# Altium PCB AI_XiaoZhi_WIFI.PcbDoc
Units mil, origin at the board's own origin, x right, y up, seen from the top; angles counter-clockwise.
Board outline 1902.33 x 1968.25 mil, 2 copper layers (Top Layer, Bottom Layer), stack 65.792 mil thick; 65 components, 42 nets, 246 pads, 70 vias.
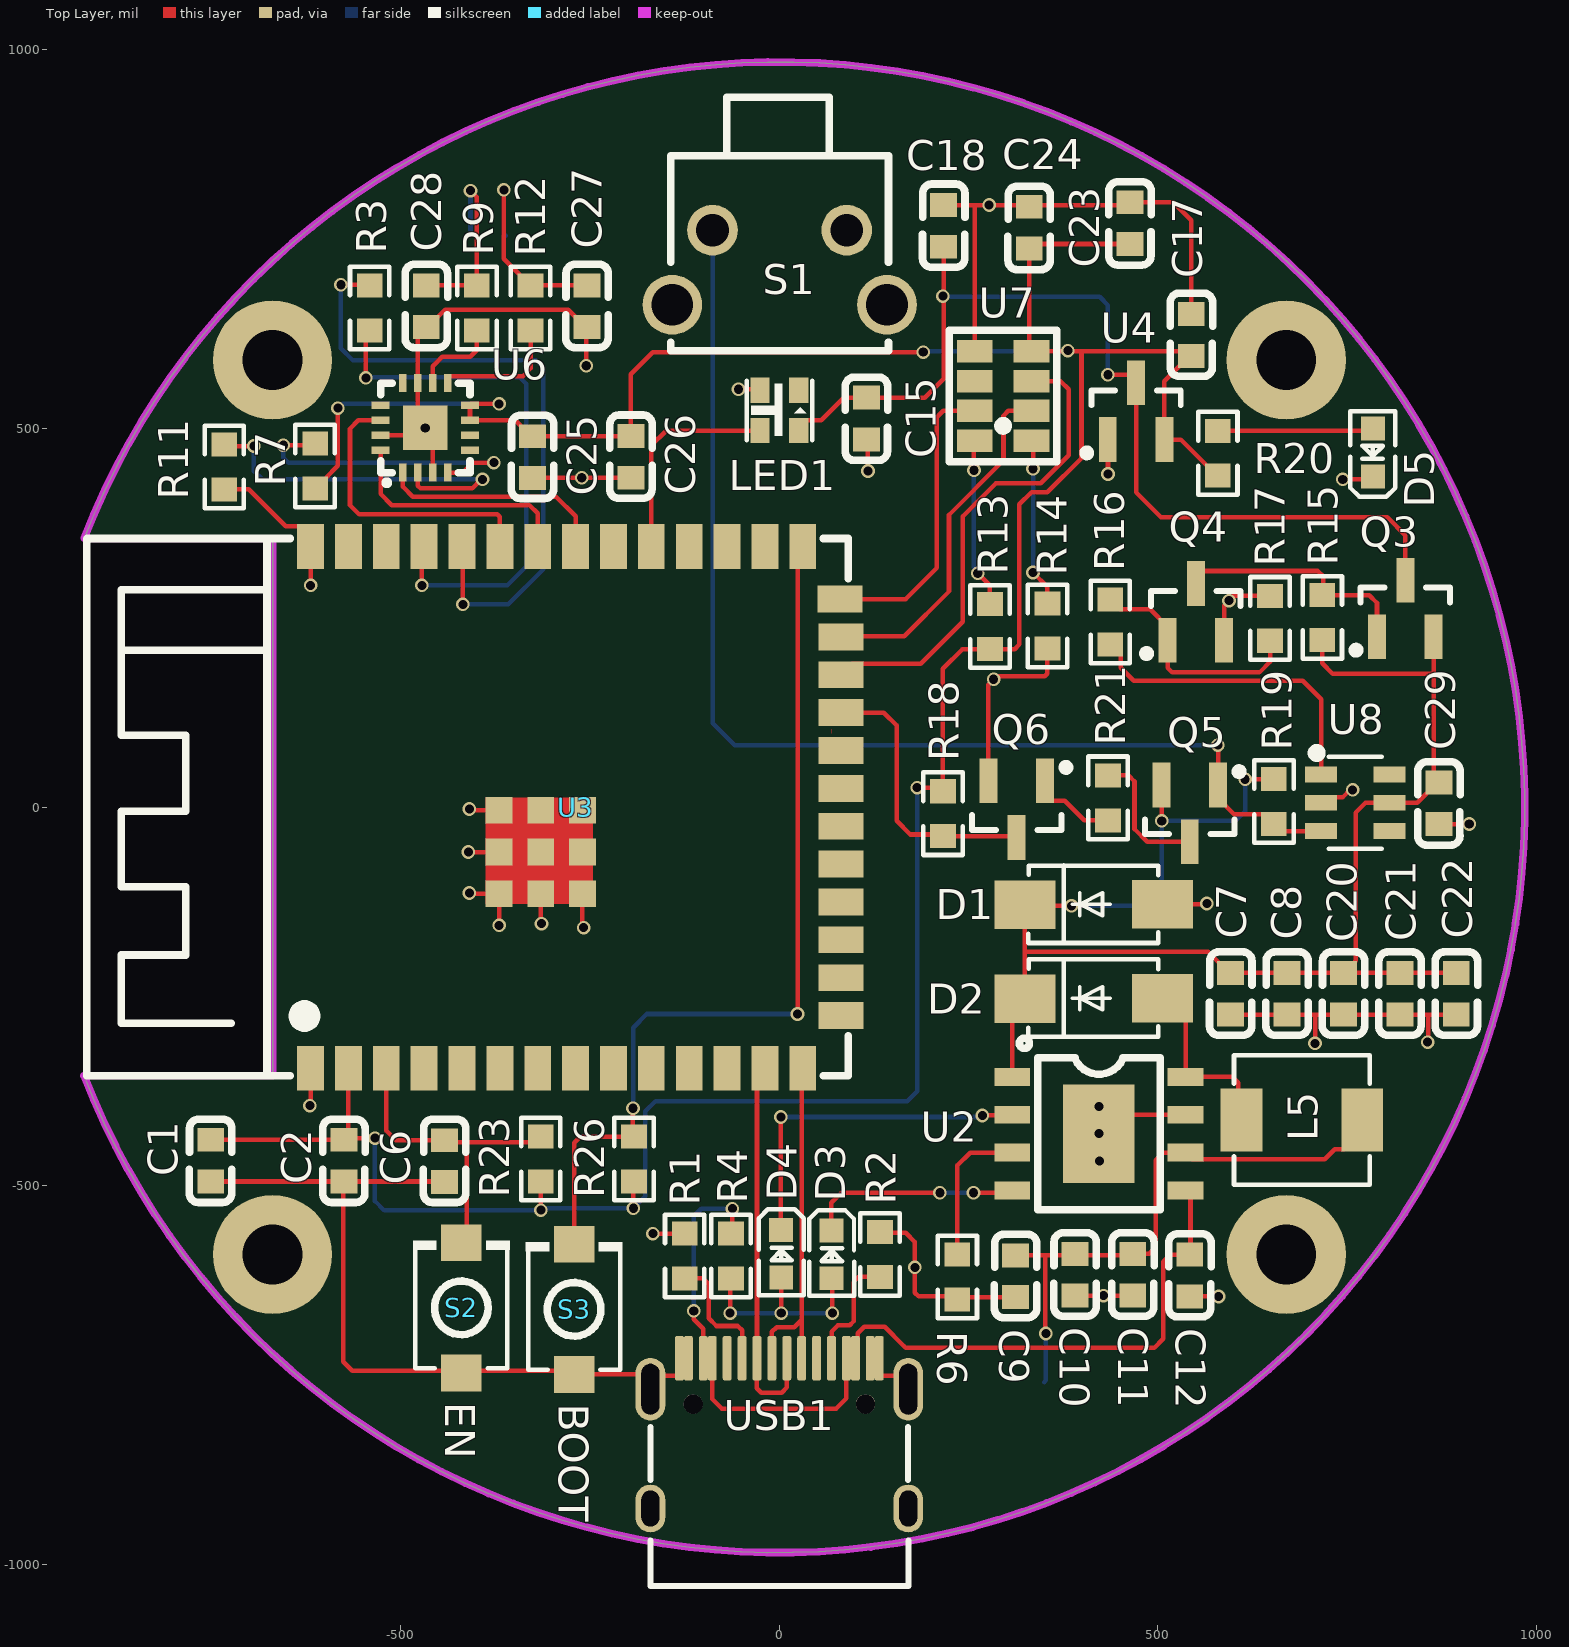
[diagram p0: Top Layer view]
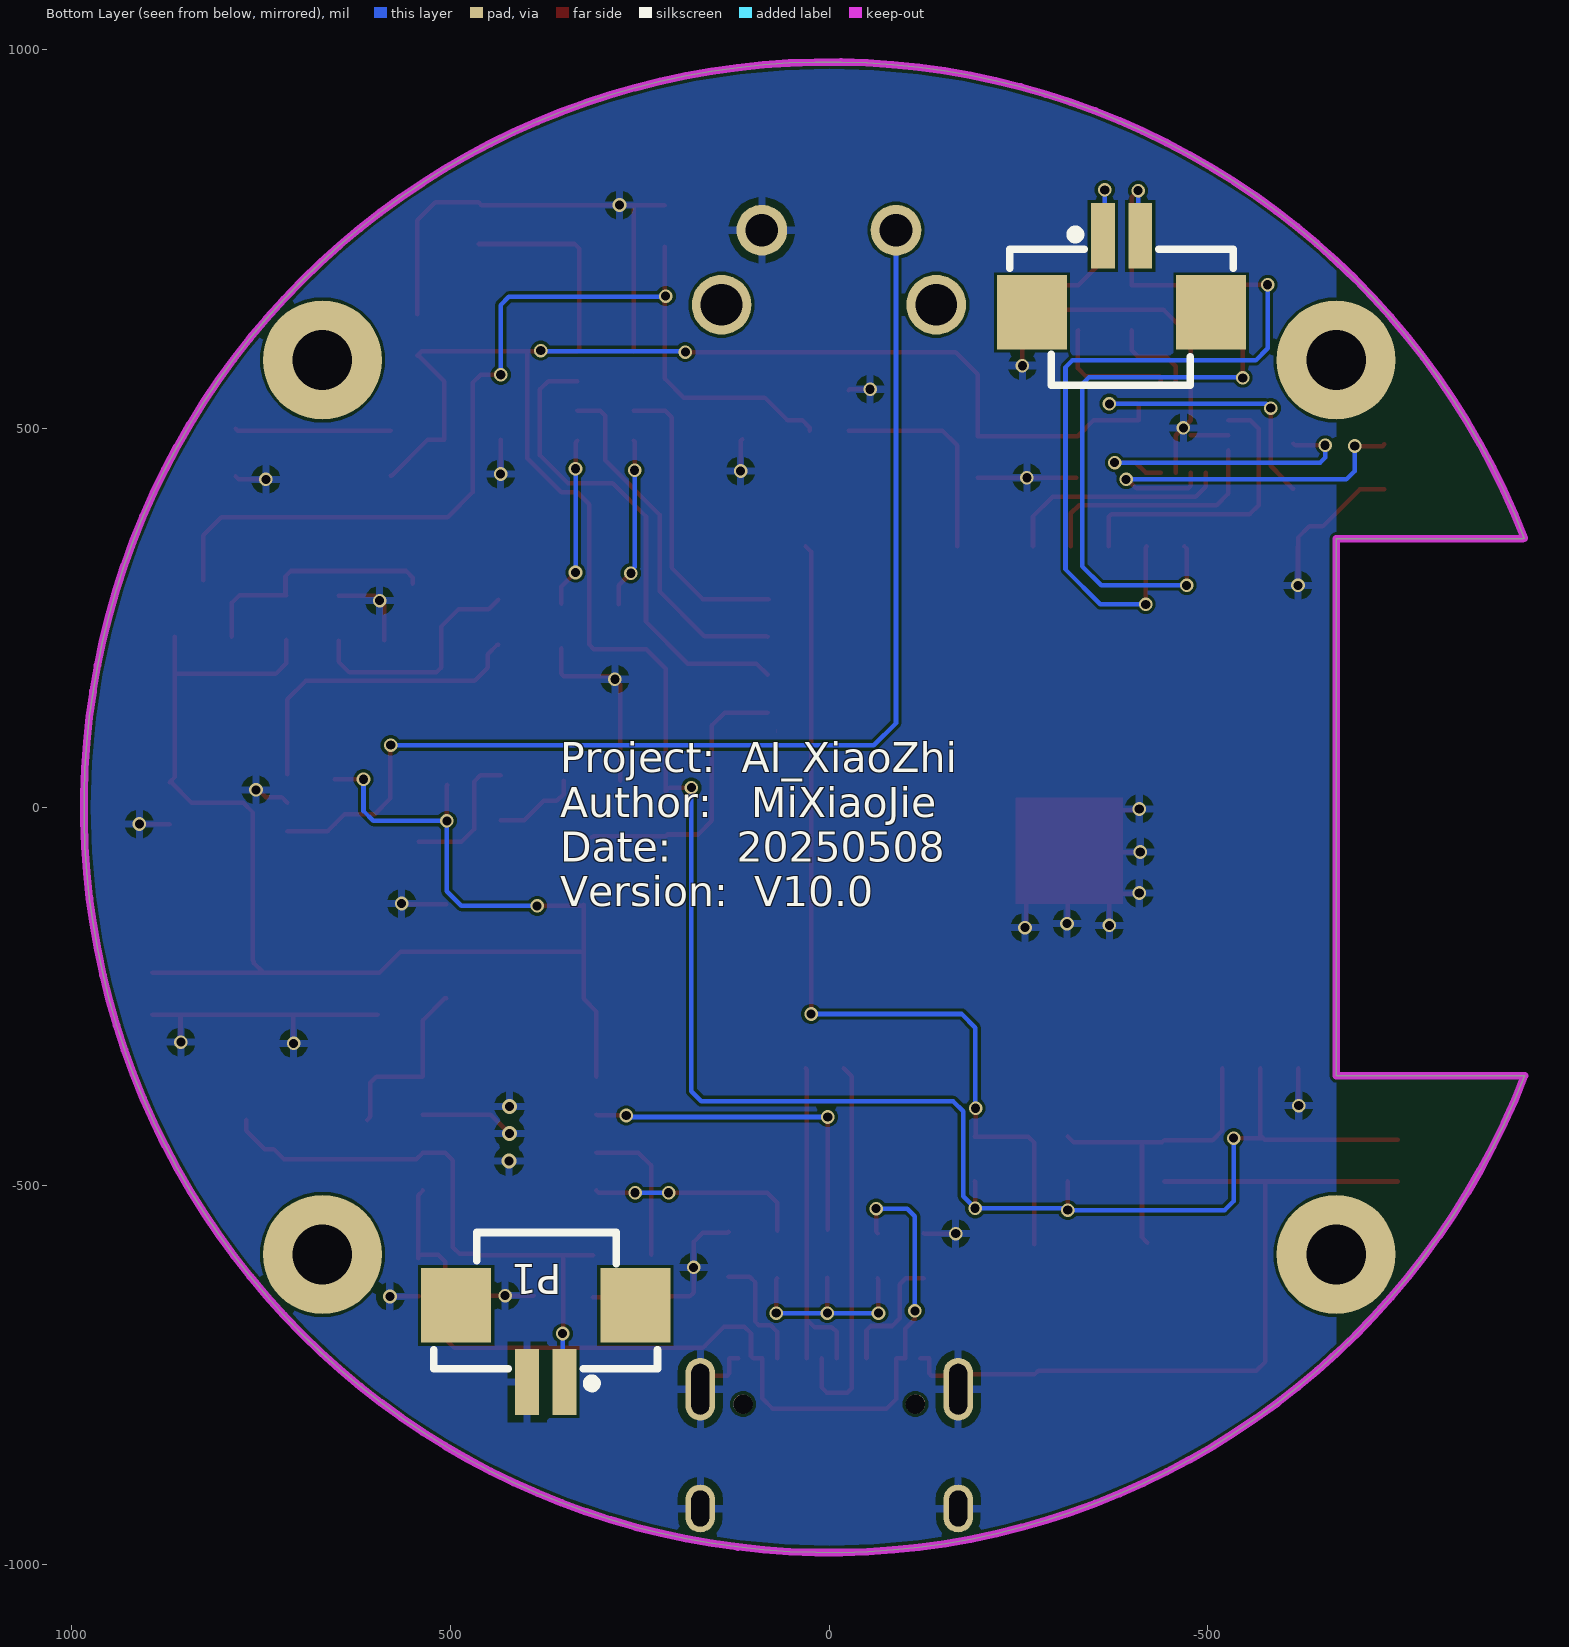
[diagram p1: Bottom Layer view, seen from below]

## Layer stack, top to bottom
Top Solder: solder mask 0.4, Solder Resist, Dk 3.5
Top Layer: signal copper 1.4
Dielectric 1: dielectric 62.9921, FR-4, Dk 4.8
Bottom Layer: signal copper 1.4
Bottom Solder: solder mask 0.4, Solder Resist, Dk 3.5

## Board outline
-918.23,-354.42 ccw(c0,0) -917.97,355.09 -916,354.33 -669.29,354.33 -669.29,-354.33

## Design rules (kind name [scope] priority, off if disabled: settings)
Clearance [All] p1: gap=4 ignorepadtopadclearanceinfootprint=FALSE
DiffPairsRouting [InDifferentialPairClass('All Differential Pairs')] p1: maxlimit=4 minlimit=4 mostfreqgap=4 toplayer_minwidth=6 toplayer_maxwidth=6 toplayer_prefwidth=6 bottomlayer_minwidth=6 bottomlayer_maxwidth=6 bottomlayer_prefwidth=6 maxuncoupledlength=500
HoleSize [All] p1: absolutevalues=TRUE maxlimit=100 minlimit=12 maxpercent=80.000 minpercent=20.000
MinimumSolderMaskSliver [All] p1: minsoldermaskwidth=2
PolygonConnect [All] p1: connectstyle=Relief reliefconductorwidth=10 reliefentries=4 polygonreliefangle="90 Angle" airgapwidth=10
RoutingVias [All] p1: holewidth=12 width=18 viastyle="Through Hole" minholewidth=12 minwidth=18 maxholewidth=28 maxwidth=50
SilkToSilkClearance [All] p1: silktosilkclearance=0
SilkToSolderMaskClearance [IsPad] p1: minsilkscreentomaskgap=0 clearancetoexposedcopper=TRUE
SolderMaskExpansion [All] p1: expansion=2 istentingtop=FALSE
Width [All] p1: maxlimit=6 minlimit=4 preferedwidth=4
25 further rules are at their usual default settings.

## Classes and differential pairs
differential pair USB: +USB_P -USB_N

## Components (designator, comment, footprint, x,y, rotation, side; value= is the part's Value field where it differs from the comment)
C1 "CAP" 0603-C -753,-466.95 r90 top value=10uF
C2 "CAP" 0603-C -577.05,-466.95 r90 top value=100nF
C6 "CAP" 0603-C -440.05,-466.89 r270 top value=1uF
C7 "CAP" 0603-C 598,-246 r270 top value=10uF
C8 "CAP" 0603-C 672.5,-246 r270 top value=100nF
C9 "CAP" 0603-C 314,-619 r270 top value=100nF
C10 "CAP" 0603-C 392.46,-617 r270 top value=22uF
C11 "CAP" 0603-C 468.67,-617 r270 top value=22uF
C12 "CAP" 0603-C 544,-618 r270 top value=10uF
C15 "CAP" 0603-C 113,513 r90 top value=10uF
C17 "CAP" 0603-C 546,624 r270 top value=10uF
C18 "CAP" 0603-C 219,768 r270 top value=100nF
C20 "CAP" 0603-C 747,-246 r270 top value=10uF
C21 "CAP" 0603-C 821.5,-246 r270 top value=10uF
C22 "CAP" 0603-C 896,-246 r270 top value=10uF
C23 "CAP" 0603-C 461,771 r90 top value=100nF
C24 "CAP" 0603-C 328,765 r90 top value=10uF
C25 "CAP" 0603-C -323.95,462.78 r270 top value=100nF
C26 "CAP" 0603-C -194,463 r270 top value=10uF
C27 "CAP" 0603-C -252,662 r270 top value=220pF
C28 "CAP" 0603-C -464.25,662 r270 top value=220pF
C29 "CAP" 0603-C 869,5 r90 top value=10uF
D1 "Diode-Z" DIODE-SMA 416,-130 r180 top value=TVS-6V
D2 "Diode" DIODE-SMA 416,-254 r180 top
D3 "LED" 0603-LED 67.5,-593.88 r270 top
D4 "LED" 0603-LED 1,-593 r270 top
D5 "LED" 0603-LED 785.23,471.84 r90 top
L5 "Inductor" SMD_L4.4-W4.2 690,-413 r0 top value=10uH
LED1 "XL-2020RGBC-WS2812B" LED-SMD_4P-L2.0-W2.0-BR-1 0,524 r90 top locked
P1 "Header 2" CONN-SMD_2P-P1.25-HC-1.25-2PWT 374.39,-708.41 r0 bottom
P2 "Header 2" CONN-SMD_2P-P1.25-HC-1.25-2PWT -386,704 r180 bottom
Q3 "PMOS" SOT-23 826.6,262.4 r90 top value=SI2305
Q4 "S8050" SOT-23 550,258 r90 top
Q5 "PMOS" SOT-23 542,-8 r270 top value=SI2305
Q6 "S8050" SOT-23 313.4,-2.4 r270 top
R1 "RES" 0603-R -126,-593 r90 top value=5.1K
R2 "RES" 0603-R 134,-590 r270 top value=5.1K
R3 "RES" 0603-R -540,660 r270 top value=tp
R4 "RES" 0603-R -65,-593 r90 top value=1K
R6 "RES" 0603-R 236,-619.94 r270 top value=2K
R7 "RES" 0603-R -612,451 r270 top value=10K
R9 "RES" 0603-R -400.48,658.94 r90 top value=0R
R11 "RES" 0603-R -734,449 r90 top value=10K
R12 "RES" 0603-R -329.73,658.94 r90 top value=0R
R13 "RES" 0603-R 279,239 r270 top value=10K
R14 "RES" 0603-R 354.99,239.87 r270 top value=10K
R15 "RES" 0603-R 716,250 r90 top value=100K
R16 "RES" 0603-R 436,244 r90 top value=100K
R17 "RES" 0603-R 647,249 r90 top value=100K
R18 "RES" 0603-R 217,-8 r270 top value=10K
R19 "RES" 0603-R 654,8 r270 top value=100K
R20 "RES" 0603-R 580,468 r270 top value=10K
R21 "RES" 0603-R 435,13 r270 top value=10K
R23 "RES" 0603-R -314.05,-463.89 r270 top value=4.7K
R26 "RES" 0603-R -191.05,-463.89 r270 top value=4.7K
S1 "SW-PB" SW_TS 0.42,712.79 r180 top locked
S2 "SW-PB" SW-SMD_L3.9-W3.0-P4.45 -420,-661 r90 top
S3 "SW-PB" SW-SMD_L3.9-W3.0-P4.45 -271,-663 r90 top
U2 "TP5400" ESOP-8 422,-431 r270 top
U3 "ESP32-S3-WROOM-1U-N16R8" WIRELM-SMD_ESP32-S3-WROOM-1 -268.87,-0.06 r90 top locked
U4 "XC6206P33" SOT-23 471,523 r90 top
U6 "MAX98357AETE+T" TQFN-16 -467.59,501.05 r0 top
U7 "MSM261S4030H0R" MIC-SMD_8P-L4.0-W3.0-P1.00-BR 295.4,543.05 r180 top
U8 "EC190708" SOT-23-6 760.76,6 r270 top
USB1 "Type-C" Type-C-TOP 0,-826.77 r270 top locked

## Footprints (in the part's own frame and the unit in brackets; to place one, negate y for a bottom-side part, rotate by r counter-clockwise, add the part's x,y. Pads: shape width x height; smd on the part's side, far side on the other; paste and mask are expansions set on the pad)
0603-C [mm] "无极性"
  rect 0.8x0.9 smd: 1(-0.692,-0.052) 2(0.709,-0.052)
  silkscreen extent -1.4,-0.76 1.4,0.66, body extent -0.8,-0.43 0.8,0.37, height 0.9
0603-LED [mm] "带丝印层"
  rect 0.8x0.8 smd: 1(0.714,0.038) 2(-0.885,0.031)
  silkscreen extent -1.57,-0.71 1.31,0.79, body extent -0.81,-0.35 0.81,0.46, height 0.81
0603-R [mil] "无极性"
  rect 31.75x34.02 smd paste-3937.01 mask+2: 1(-29.13,-0.99) 2(30.19,-0.99)
  silkscreen extent -54,-27 55,25, body extent -32,-17 32,15, height 22
CONN-SMD_2P-P1.25-HC-1.25-2PWT [mm]
  rect 0.8x2.2 smd paste+0 mask+0.05: 1(-0.625,1.285) 2(0.625,1.285)
  rect 2.35x2.5 smd paste+0 mask+0.05: 3(-3.005,-1.285) 4(3.005,-1.285)
  silkscreen extent -3.75,-3.73 3.75,1.48, body extent -3.77,-3.57 3.73,1.68, height 3.4
DIODE-SMA [mm] "贴片二极管"
  rect 2.046x1.62 smd: 1(-2.279,-0.046) 2(2.329,-0.028)
  silkscreen extent -2.14,-1.36 2.21,1.25, body extent -2.52,-1.37 2.52,1.26, height 2
ESOP-8 [mm]
  rect 0.6x1.2 smd: 1(-1.905,-2.908) 2(-0.635,-2.908) 3(0.635,-2.908) 4(1.905,-2.908) 5(1.905,2.908) 6(0.635,2.908) 7(-0.635,2.908) 8(-1.905,2.908)
  rect 3.3x2.4 smd: 9(0,0)
  silkscreen extent -3.2,-2.67 2.55,2.05, body extent -2.45,-3.05 2.45,3.05, height 1.6
LED-SMD_4P-L2.0-W2.0-BR-1 [mm]
  rect 0.85x0.65 smd paste+0 mask+0.05: 1(0.675,-0.65) 2(0.675,0.65) 3(-0.675,0.65) 4(-0.675,-0.65)
  silkscreen extent -1,-1.1 1,1.1, body extent -0.97,-0.98 1.03,1.03, height 0.82
MIC-SMD_8P-L4.0-W3.0-P1.00-BR [mm]
  rect 1.2x0.75 smd paste+0 mask+0.05: 1(0.95,-1.5) 2(0.95,-0.5) 3(0.95,0.5) 4(0.95,1.5) 5(-0.95,1.5) 6(-0.95,0.5) 7(-0.95,-0.5) 8(-0.95,-1.5)
  silkscreen extent -1.8,-2.2 1.8,2.2
SMD_L4.4-W4.2 [mm]
  rect 1.4x2.12 smd: 1(2.028,0) 2(-2.028,0)
  silkscreen extent -2.28,-2.18 2.28,2.18, body extent -2.2,-2.1 2.2,2.1, height 2.1
SOT-23 [mm]
  rect 1.5x0.6 smd: 1(-0.95,0.95) 2(-0.95,-0.95) 3(0.95,0)
  silkscreen extent -1.52,-1.5 0.7,1.78, body extent -1.16,-1.45 1.21,1.45, height 1
SOT-23-6 [mil]
  rect 20.95x42.2 smd: 1(-37.4,-45.24) 2(0,-45.24) 3(37.4,-45.24) 4(37.4,45.24) 5(0,45.24) 6(-37.4,45.24)
  silkscreen extent -72,-57 61,35, body extent -57,-55 57,55, height 63
SW-SMD_L3.9-W3.0-P4.45 [mm]
  rect 1.23x1.36 smd: 1(-2.185,0) 2(2.185,0)
  silkscreen extent -2.03,-1.62 2.25,1.62, body extent -2.37,-1.42 2.43,1.48, height 1.95
SW_TS [mm]
  round 1.7 hole 1.1: 1(-2.25,-1.25) 2(2.25,-1.25)
  round 2 hole 1.4: 3(3.6,1.25) 4(-3.6,1.25)
  silkscreen extent -3.65,-5.71 3.65,2.79, body extent -4.18,-5.19 4.18,2.86, height 7.37
TQFN-16 [mm]
  rect 0.25x0.6 smd paste-100 mask+0.051: 1(-0.748,-1.5) 2(-0.249,-1.5) 3(0.252,-1.5) 4(0.751,-1.5) 9(0.75,1.5) 10(0.25,1.5) 11(-0.25,1.5) 12(-0.748,1.5)
  rect 0.6x0.25 smd paste-100 mask+0.051: 5(1.5,-0.748) 6(1.5,-0.248) 7(1.5,0.252) 8(1.5,0.752) 13(-1.5,0.752) 14(-1.5,0.252) 15(-1.5,-0.248) 16(-1.5,-0.748)
  rect 1.5x1.5 smd paste-100 mask+0.051: 17(0,0)
  silkscreen extent -1.5,-1.9 1.5,1.5, body extent -1.51,-1.51 1.51,1.51, height 0.75
Type-C-TOP [mm]
  round 0.65 hole 0.65: 0(-0.98,2.89) 0(-0.98,-2.89)
  oval 1.6x1 hole 0.6 slot 1.2 at 0 deg: 1(2.52,4.325) 2(2.52,-4.325)
  oval 2.1x1 hole 0.6 slot 1.7 at 0 deg: 3(-1.48,-4.325) 4(-1.48,4.325)
  rrect50% 1.5x0.3 smd: A1(-2.52,-3.35) A4(-2.52,-2.55) A5(-2.52,-1.25) A6(-2.52,-0.25) A7(-2.52,0.25) A8(-2.52,1.25) A9(-2.52,2.55) A12(-2.52,3.35) B1(-2.52,3.05) B4(-2.52,2.25) B5(-2.52,1.75) B6(-2.52,0.75) B7(-2.52,-0.75) B8(-2.52,-1.75) B9(-2.52,-2.25) B12(-2.52,-3.05)
  silkscreen extent -0.22,-4.33 5.12,4.33, body extent -2.57,-4.48 5.18,4.47, height 3.26
WIRELM-SMD_ESP32-S3-WROOM-1 [mm]
  rect 1.5x0.9 smd paste+0 mask+0.05: 1(-8.75,8.895) 2(-8.75,7.625) 3(-8.75,6.355) 4(-8.75,5.085) 5(-8.75,3.815) 6(-8.75,2.545) 7(-8.75,1.275) 8(-8.75,0.005) 9(-8.75,-1.265) 10(-8.75,-2.535) 11(-8.75,-3.805) 12(-8.75,-5.075) 13(-8.75,-6.345) 14(-8.75,-7.615) 27(8.75,-7.615) 28(8.75,-6.345) 29(8.75,-5.075) 30(8.75,-3.805) 31(8.75,-2.535) 32(8.75,-1.265) 33(8.75,0.005) 34(8.75,1.275) 35(8.75,2.545) 36(8.75,3.815) 37(8.75,5.085) 38(8.75,6.355) 39(8.75,7.625) 40(8.75,8.895)
  rect 0.9x1.5 smd paste+0 mask+0.05: 15(-6.985,-8.895) 16(-5.715,-8.895) 17(-4.445,-8.895) 18(-3.175,-8.895) 19(-1.905,-8.895) 20(-0.635,-8.895) 21(0.635,-8.895) 22(1.905,-8.895) 23(3.175,-8.895) 24(4.445,-8.895) 25(5.715,-8.895) 26(6.985,-8.865)
  rect 0.9x0.9 smd: 41(-2.9,-0.225) 41(-2.9,1.175) 41(-2.9,2.575) 41(-1.5,2.575) 41(-1.5,-0.225) 41(-1.5,1.175) 41(-0.1,2.575) 41(-0.1,1.175) 41(-0.1,-0.225)
  silkscreen extent -9,-9.14 9.02,16.39, body extent -9.05,-9.14 8.95,16.36, height 3.1

## Part data
C1 C2 C6 C7 C8 C9 C10 C11 C12 C15 C17 C18 C20 C21 C22 C23 C24 C25 C26 C27 C28 C29: "无极性电容", LatestRevisionDate=17-Jul-2002, LatestRevisionNote="Re-released for DXP Platform.", PackageReference=RAD-0.3, Published=8-Jun-2000, Publisher="Altium Limited"
D1: "稳压二极管", Code_JEDEC=DO-214-AA, LatestRevisionDate=17-Jul-2002, LatestRevisionNote="Re-released for DXP Platform.", PackageReference=SMB, Published=8-Jun-2000, Publisher="Altium Limited"
D2: "二极管", PackageDocument=Sep-1996, Code_JEDEC=DO-214-AB, LatestRevisionDate=17-Jul-2002, LatestRevisionNote="Re-released for DXP Platform.", PackageReference=SMC, Published=8-Jun-2000, Publisher="Altium Limited", Type=SS34
D3 D4 D5: "发光二极管", LatestRevisionDate=08-Jul-2005, LatestRevisionNote="Mech Layer 1 removed.", PackageReference=LED-0, Published=8-Jun-2000, Publisher="Altium Limited"
L5: "电感", Code_IEC=1005, Code_JEITA=0402, LatestRevisionDate=17-Jul-2002, LatestRevisionNote="Re-released for DXP Platform.", PackageReference=0402-A, Published=8-Jun-2000, Publisher="Altium Limited"
LED1: JLCPCB Part Class="Extended Part", LCSC Part Name=幻彩透明, Manufacturer=XINGLIGHT(成兴光), Add into BOM=yes, Convert to PCB=yes, Datasheet=https://atta.szlcsc.com/upload/public/pdf/source/20230111/97A2D5930F183799801175706AF118AF.pdf, Device=XL-2020RGBC-WS2812B, Manufacturer Part=XL-2020RGBC-WS2812B, Supplier=LCSC, Supplier Footprint=2020, Supplier Part=C5349955, Symbol=XL-2020RGBC-WS2812B
P1 P2: "接插件", LatestRevisionDate=17-Jul-2002, LatestRevisionNote="Re-released for DXP Platform.", Publisher="Altium Limited"
Q3 Q5: "PNP MOS管", PackageDocument=1995/1996, LatestRevisionDate=17-Jul-2002, LatestRevisionNote="Re-released for DXP Platform.", PackageReference=E3, Published=8-Jun-2000, Publisher="Altium Limited"
Q4 Q6: library part NPN_BJT, "NPN三极管", PackageDocument=Sep-1998, Code_JEDEC=TO-92A, ComponentLink1Description="Manufacturer Link", ComponentLink1URL=http://www.fairchildsemi.com/, ComponentLink2Description=Datasheet, ComponentLink2URL=http://www.fairchildsemi.com/ds/2N%2F2N3904.pdf, DatasheetDocument=1997, LatestRevisionDate=15-Jan-2003, LatestRevisionNote="PCB Footprint 'BCY-W3/D4.7' replaced", PackageReference=TO-92A, Published=8-Jun-2000, Publisher="Altium Limited"
R1 R2 R3 R4 R6 R7 R9 R11 R12 R13 R14 R15 R16 R17 R18 R19 R20 R21 R23 R26: "贴片电阻", LatestRevisionDate=17-Jul-2002, LatestRevisionNote="Re-released for DXP Platform.", PackageReference=AXIAL-0.4, Published=8-Jun-2000, Publisher="Altium Limited"
S1: library part SW-TS, "微动开关", LatestRevisionDate=17-Jul-2002, LatestRevisionNote="Re-released for DXP Platform.", PackageReference=SPST-2, Published=24-Mar-1999, Publisher="Altium Limited"
S2 S3: "微动开关", LatestRevisionDate=17-Jul-2002, LatestRevisionNote="Re-released for DXP Platform.", PackageReference=SPST-2, Published=24-Mar-1999, Publisher="Altium Limited"
U2: "单节锂电池充电管理模块", JLCPCB Part Class="Extended Part", Manufacturer=TOPPOWER(南京拓微), Add into BOM=yes, Convert to PCB=yes, Datasheet=https://atta.szlcsc.com/upload/public/pdf/source/20210909/352D9D40D77A1DD73F7904E364EF004B.pdf, Device=TP5400, LCSC Part Name=TP5400, Manufacturer Part=TP5400, Supplier=LCSC, Supplier Footprint=ESOP-8, Supplier Part=C2891434, Symbol=TP5400_C2891434
U3: JLCPCB Part Class="Extended Part", Manufacturer=ESPRESSIF(乐鑫), Add into BOM=yes, Convert to PCB=yes, Datasheet=https://atta.szlcsc.com/upload/public/pdf/source/20240130/9D71F4DF55874C504AB629FEEE3F038E.pdf, Device=ESP32-S3-WROOM-1U-N16R8, LCSC Part Name=ESP32-S3-WROOM-1U-N16R8, Manufacturer Part=ESP32-S3-WROOM-1U-N16R8, Supplier=LCSC, Supplier Footprint=SMD,18x19.2mm, Supplier Part=C3013946, Symbol=ESP32-S3-WROOM-1U-N16R8
U4: library part XC6206PXXX, "LDO稳压芯片"
U6: "扬声器驱动芯片", JLCPCB Part Class="Extended Part", LCSC Part Name="微型、低成本、PCM 类 D 级放大器具有 AB 级性能", Manufacturer=ADI(亚德诺)/MAXIM(美信), Operating Temperature=-40℃~+85℃, Output Power=3.2Wx2@4Ω, Supply Voltage=2.5V~5.5V, Type of Power Amplifier=-, Add into BOM=yes, Convert to PCB=yes, Datasheet=https://atta.szlcsc.com/upload/public/pdf/source/20210106/C910544_CB6DE4B2CEE254A72E6BDB40E718D281.pdf, Device=MAX98357AETE+T, Manufacturer Part=MAX98357AETE+T, Speaker Channels=单声道, Supplier=LCSC, Supplier Footprint=TQFN-16-EP(3x3), Supplier Part=C910544, Symbol=MAX98357AETE+T
U7: library part MIC, JLCPCB Part Class="Extended Part", Manufacturer=MEMS(敏芯微), Add into BOM=yes, Convert to PCB=yes, Datasheet=https://atta.szlcsc.com/upload/public/pdf/source/20210707/C2840615_6AE5BCBEE3224C96A8195D5DC270E7C8.pdf, Device=MSM261S4030H0R, LCSC Part Name=MSM261S4030H0R, Manufacturer Part=MSM261S4030H0R, Supplier=LCSC, Supplier Footprint=-, Supplier Part=C2840615, Symbol=MSM261S4030H0R
U8: "长按开关机"
USB1: library part USB-Type-C-TOP, "16Pins TYPEC"

## Free pads (board coordinates)
  round 157.48 hole 78.74: 0(-669.29,-590.55) 0(-669.29,590.55) 0(669.29,-590.55) 0(669.29,590.55)

## Via types
v1: diameter 18, hole 12, Top Layer to Bottom Layer, 67 vias
v2: diameter 20, hole 12, Top Layer to Bottom Layer, 3 vias

## Nets (pads, with @x,y where several pads share a name; then routed paths per layer and width w, separated by ;. In a path a pad name is that pad's centre, name@x,y a point inside that pad or via, vN(x,y) a via of type N, cw(c..) or ccw(c..) an arc to the next point about the centre after c; other vN are vias at no path point)
3V3: C1.2 C2.2 C17.2 C23.1 C24.1 C25.1 C26.1 R7.2 R13.2 R18.1 R20.2 R23.2 R26.2 U3.2 U4.2 U6.7 U6.8 U7.8 | length 4456.2
  Top Layer w6: C1.2 C2.2 C2.2@-572.94,-437 ; R7.2 -611.86,420.81 -598.98,433.68 -598.98,434.82 -583,450.8 v1(-583,527) ; U3.2 -569.06,-433.12 C2.2@-572.94,-437 ; v1(-534,-437) C2.2@-572.94,-437 ; v1(-369.99,532.76) -387.99,532.76 -388.18,532.58 -406.61,532.58 U6.8 U6.7 -348.95,510.98 -327.97,490 C25.1 -196.27,490 C26.1 -196.05,571.95 -167,601 v1(190,601) ; R23.2 v1(-315,-532) v1(-315,-532) ; v1(-192.69,-529.52) -192.69,-494.74 R26.2 ; v1(182,26) 211.14,26 R18.1 216.01,183.01 241.81,208.81 R13.2 310.81,208.81 317,215 317,400 333,416 354,416 399,461 399,602.11 ; C23.1 336.05,743.78 C24.1 330.05,604.87 U7.8 399,602.11 ; R20.2 577.88,437.81 530.09,485.6 U4.2 508.4,562.52 541.99,596.11 C17.2 537.95,602.11 399,602.11
  Bottom Layer w6: v1(-583,527) -577.24,532.76 v1(-369.99,532.76) ; v1(-534,-437) -534,-520 -522,-532 v1(-315,-532) -312.52,-529.52 v1(-192.69,-529.52) -176.94,-513.77 -176.94,-401.46 -163.49,-388 169,-388 182,-375 v1(182,26) ; v1(190,601) 191,602 380,602 v1(381,603)
BCLK_SPK: U3.34 U6.16 | length 319.6
  Top Layer w6: U6.16 -526.64,414 -511.64,399 -330,399 -319.06,388.06 U3.34
BOOT: R26.1 S3.2 U3.27 | length 1205.3
  Top Layer w6: S3.2 -271,-443 -263,-435 -192.27,-435 -193.3,-433.97 v1(-193.3,-397.5) ; v1(24,-273) 24,337.49 U3.27
  Bottom Layer w6: v1(-193.3,-397.5) -193,-397.2 -193,-291 -175,-273 v1(24,-273)
DIN_SPK: U3.33 U6.1 | length 302.7
  Top Layer w6: U6.1 -497.05,423.05 -484,410 -295,410 -269.06,384.06 U3.33
EN: C6.1 R23.1 S2.2 U3.3 | length 432.6
  Top Layer w6: U3.3 -519.06,-426.94 -506.33,-439.67 C6.1 -439.43,-442.34 -415.66,-442.34 ; S2.2 -413,-567.98 -413,-445 -415.66,-442.34 ; R23.1 -322.61,-442.34 -415.66,-442.34
GAIN_SPK: R11.2 U6.2 | length 488.8
  Top Layer w6: R11.2 -730.82,477 v1(-694,477) ; U6.2 -477.37,424.51 -473.86,421 -405.46,421 -393.46,433 v1(-392,433)
  Bottom Layer w6: v1(-694,477) -694,444 -683,433 v1(-392,433)
GND: C1.1 C2.1 C6.2 C7.2 C8.2 C9.2 C10.2 C11.2 C12.2 C15.1 C17.1 C18.1 C20.2 C21.2 C22.2 C23.2 C24.2 C25.2 C26.2 C27.2 C28.2 C29.1 D1.1 D5.2 LED1.2 P1.2 Q4.2 Q6.2 R1.2 R2.1 R6.2 R11.1 R14.2 R17.2 S1.1 S2.1 S3.1 U2.7 U2.9 U3.1 U3.40 U3.41 U4.1 U6.3 U6.11 U6.15 U6.17 U7.1 U8.2 USB1.1 USB1.2 USB1.3 USB1.4 USB1.A1 USB1.A12 USB1.B1 USB1.B12 | length 4525
  Top Layer w6: C1.1 C2.1 ; R11.1 -700.85,419.87 -651.93,370.96 -633.78,370.96 -619.06,356.24 U3.40 -619,344.37 v1(-619,293) ; v1(-620,-394) -619.06,-393.06 U3.1 ; U6.15 U6.17@-477.34,491.29 ; U6.3 -457.68,491.15 v1(-467.58,501.05) -477.43,510.9 U6.11 -477.43,622.97 C28.2 -464.33,634.11 -441.43,657 -278.91,657 -256.01,634.11 C27.2 -255,633.15 v1(-255,583) ; C6.2 -442.7,-494.18 C2.1 ; v1(-410.7,-59.05) -410.63,-59.12 U3.41@-370.24,-59.12 ; v1(-409.39,-113.26) -408.42,-114.24 -370.24,-114.24 -370,-114.48 v1(-370,-156) ; v1(-409.39,-2.23) -407.62,-4 U3.41@-370.24,-4 ; C25.2 -325.78,435.11 v1(-260.91,435.11) C26.2 ; U3.41@-315.12,-114.24 -315.12,-152.67 v1(-314.03,-153.76) ; U3.41@-260,-114.24 -260,-157.5 v1(-258.51,-158.99) ; USB1.3 USB1.3@-170.28,-765.91 ; v1(-167,-563) -125.2,-563 R1.2 ; USB1.B12 USB1.A1 -131.89,-747.59 -134.8,-750.49 -154.86,-750.49 USB1.3@-170.28,-765.91 ; v1(-54,552) -27.01,552 LED1.2 ; C15.1 117,483.82 v1(117,444) ; USB1.B1 USB1.A12 131.89,-747.59 134.8,-750.49 154.86,-750.49 170.28,-765.91 USB1.4 ; R2.1 134.14,-562 167,-562 179,-574 v1(179,-607.5) 179,-641 184,-646 230.88,-646 R6.2 238.24,-646.89 C9.2 ; C18.1 257,795.22 ; U7.1 258,794.22 257,795.22 ; Q6.2 276,162 v1(283,169) 287,173 350.49,173 354,176.51 R14.2 ; C10.2 v1(428,-644.89) C11.2 ; v2(422,-431) 447,-406 U2.7 ; U4.1 434,485.2 v1(434,440) ; D1.1 563.58,-128.17 v1(564.61,-127.14) ; C12.2 579.89,-645.89 v1(580,-646) ; C17.1 543.95,775.05 520.11,798.89 C23.2 459.38,795.22 v1(277,795.22) 257,795.22 ; Q4.2 587.4,266.4 v1(593.8,272.8) 600.19,279.19 R17.2 ; C7.2 C8.2 707.7,-273.89 ; v1(707.33,-311.74) 707.7,-311.37 707.7,-273.89 ; U8.2 722.99,13.47 744.23,13.47 753.75,23 v1(757,23) ; v1(744,433) 780,433 D5.2 ; v1(856.12,-310.09) 856.7,-309.5 856.7,-273.89 ; C29.1 910.98,-22.22 v1(911.09,-22.12) ; C22.2 856.7,-273.89 ; C2.1 -576,-495.18 -576,-732 -564,-744 -276.02,-744 S3.1 -185.69,-749.02 -170.28,-764.43 USB1.3@-170.28,-765.91 ; 707.7,-273.89 C20.2 C21.2 856.7,-273.89
  other v2: 423,-467 422,-395
LED: LED1.3 U3.31 | length 285.1
  Top Layer w6: U3.31 -169.06,477.94 -149.58,497.42 LED1.3
LRCLK_SPK: U3.35 U6.14 | length 389.3
  Top Layer w6: U6.14 -556.02,510.98 -567,500 -567,399 -555,387 -372.57,387 -369.06,383.49 U3.35
NetD2_1: D2.1 L5.2 U2.8 | length 241.2
  Top Layer w6: D2.1 507.61,-252.17 536.5,-281.06 U2.8 598,-356 606,-364 606,-408.84 L5.2
NetD3_1: D3.1 D4.1 R4.1 | length 274.6
  Top Layer w6: v1(-65,-668) -65,-623.12 R4.1 ; v1(2.5,-668) D4.1 ; D3.1 70,-623 v1(70,-668)
  Bottom Layer w6: v1(-65,-668) v1(2.5,-668) v1(70,-668)
NetD3_2: D3.2 U2.4 | length 282.3
  Top Layer w6: D3.2 68.73,-522.27 82,-509 v1(212,-509) ; v1(256.36,-509.04) 304.46,-509.04 U2.4
  Bottom Layer w6: v1(212,-509) 256.32,-509 v1(256.36,-509.04)
NetD4_2: D4.2 U2.2 | length 456.4
  Top Layer w6: v1(2,-409) 2,-557.93 D4.2 ; v1(268,-407) 306.5,-407 U2.2
  Bottom Layer w6: v1(2,-409) 260,-409 260.51,-409.51 260.73,-409.3 265.7,-409.3 v1(268,-407)
NetD5_1: D5.1 R20.1 | length 205.9
  Top Layer w6: R20.1 780.9,497.13 D5.1
NetQ3_1: Q3.1 Q4.3 R15.2 | length 328.9
  Top Layer w6: Q4.3 550,303.19 558.81,312 711,312 718,305 718,281.2 R15.2 778.81,280.19 789.2,269.8 Q3.1
NetQ4_1: Q4.1 R16.2 R17.1 | length 316.1
  Top Layer w6: R16.2 449.87,261.32 489.6,261.32 512.6,238.32 Q4.1 512.6,184.4 519,178 634,178 647.99,191.99 R17.1
NetQ5_3: Q5.3 R21.1 | length 181
  Top Layer w6: R21.1 460.87,42.13 469,34 469,-28.8 485.6,-45.4 Q5.3
NetQ6_1: Q6.1 R21.2 | length 115.2
  Top Layer w6: Q6.1 350.8,17.28 359.61,8.47 376.98,8.47 402.64,-17.19 R21.2
NetR1_1: R1.1 USB1.A5 | length 167.4
  Top Layer w6: R1.1 -100.87,-622.13 -99.02,-623.98 -93,-630 -93,-675 -83,-685 -55,-685 -49.21,-690.79 USB1.A5
NetR2_2: R2.2 USB1.B5 | length 159.6
  Top Layer w6: USB1.B5 68.9,-692.46 77.36,-684 93,-684 98,-679 98,-627 104.81,-620.19 R2.2
NetR6_1: R6.1 U2.3 | length 197.3
  Top Layer w6: R6.1 235.01,-472.99 252,-456 U2.3
NetR9_1: R9.1 U6.10 | length 115.5
  Top Layer w6: U6.10 -457.74,582.26 -445,595 -408,595 -399.49,603.51 R9.1
NetR12_1: R12.1 U6.9 | length 172.5
  Top Layer w6: U6.9 -438.06,567 -436.14,568.92 -339.08,568.92 -328,580 -328,629.07 R12.1
NetR13_1: R13.1 U7.4 | length 225
  Top Layer w6: v1(257,445) 257,483 U7.4 ; v1(262,309) 278.01,292.99 R13.1
  Bottom Layer w6: v1(257,445) 257,317.25 262,312.25 v1(262,309)
NetR14_1: R14.1 U7.5 | length 223.8
  Top Layer w6: U7.5 335,481.8 v1(335,447) ; v1(335,310) 354,291 R14.1
  Bottom Layer w6: v1(335,310) v1(335,447)
NetR16_1: R16.1 U8.1 | length 418.1
  Top Layer w6: R16.1 438.12,214.87 451,202 451,184 468,167 691,167 715.52,142.48 U8.1
OUTN_SPK: C28.1 P2.2 R9.2 | length 256.2
  Top Layer w6: C28.1 -399.59,689.22 R9.2 -399.49,805.89 v1(-407.85,814.25)
  Bottom Layer w6: P2.2 -407.85,757.35 v1(-407.85,814.25)
OUTP_SPK: C27.1 P2.1 R12.2 | length 277
  Top Layer w6: v1(-363.83,815.25) -363.83,724.21 R12.2 -254.14,689.13 C27.1
  Bottom Layer w6: v1(-363.83,815.25) -363.83,757.02 P2.1
PWR_ON: Q5.1 R19.2 S1.2 U8.3 | length 1554.4
  Top Layer w6: v1@579.4,82 Q5.1 579.4,11.68 600.4,-9.32 640.13,-9.32 R19.2 662.22,-31.4 U8.3
  Bottom Layer w6: S1.2 -88.16,111.16 -59,82 v1(579,82)
RXD0: R3.1 U3.36 | length 868.6
  Top Layer w6: v1(-579,690) -541.86,690 R3.1 ; U3.36 -418,343.37 v1(-418,268)
  Bottom Layer w6: v1(-579,690) -579,606 -563,590 -321,590 -312,581 -312,314 -358,268 v1(-418,268)
SCK_MIC: U3.25 U7.6 | length 468.8
  Top Layer w6: U3.25 82.39,226 165,226 224,285 224,386 296,458 296,517 302.37,523.37 U7.6
SD_MIC: U3.24 U7.7 | length 642.9
  Top Layer w6: U3.24 96.05,189.66 186.66,189.66 242,245 242,384 286,428 345,428 382,465 382,552 371.26,562.74 U7.7
SD_SPK: R7.1 U6.4 | length 406.1
  Top Layer w6: v1(-654.89,477.99) -615.13,477.99 R7.1 ; U6.4 -418,442 -404.89,455.11 v1(-376.94,455.11)
  Bottom Layer w6: v1(-654.89,477.99) -654.89,461.89 -648.11,455.11 v1(-376.94,455.11)
TOGGLE_CHAT: Q6.3 R18.2 U3.23 | length 374.1
  Top Layer w6: U3.23 138.06,124.94 155,108 155,-18 173,-36 213.82,-36 R18.2 311.79,-38.19 Q6.3
TXD0: R3.2 U3.37 | length 723
  Top Layer w6: v1(-546,567) -546,624.8 R3.2 ; v1(-472,293) -472,341.49 U3.37
  Bottom Layer w6: v1(-546,567) -545,568 -343,568 -334,559 -334,318 -359,293 v1(-472,293)
USB_5V: C12.1 R4.2 U2.5 USB1.A4 USB1.A9 USB1.B4 USB1.B9 | length 1291.1
  Top Layer w6: v1(-113,-665) -113,-676 -100.39,-688.61 USB1.A4 USB1.B9 -88.58,-781.42 -76,-794 75,-794 88.58,-780.42 USB1.B4 USB1.A9 103.3,-724.65 103.3,-694.7 112,-686 139,-686 164.02,-711.02 167,-714 495,-714 507,-702 507,-600 516.22,-590.78 C12.1 ; R4.2 -62,-560.8 v1(-62,-530) ; U2.5 542.95,-512.45 C12.1@542.95,-595.78
  Bottom Layer w6: v1(-113,-665) -113,-540 -103,-530 v1(-62,-530)
USB_N: U3.13 USB1.A7 USB1.B7 | length 510.6
  Top Layer w6: U3.13 -29.53,-355.02 USB1.B7 -29.77,-727.8 -29.77,-767.23 -24,-773 3,-773 9.84,-766.16 USB1.A7
USB_P: U3.14 USB1.A6 USB1.B6 | length 464.5
  Top Layer w6: USB1.A6 -9.84,-692.84 -3.47,-686.47 19.47,-686.47 29.53,-676.42 ; USB1.B6 29.53,-676.42 ; U3.14 29.53,-345.96 29.53,-676.42
VBAT: C9.1 C10.1 C11.1 L5.1 P1.1 U2.6 | length 783.6
  Top Layer w6: C9.1 351,-591.78 ; v1(352,-695) 351,-694 351,-591.78 ; L5.1 769.84,-427.17 745.28,-451.73 733.27,-451.73 720,-465 571,-465 570.81,-464.81 545.31,-464.81 U2.6 507,-456 497,-466 497,-581 488.22,-589.78 C11.1 464.62,-591.78 351,-591.78
  Bottom Layer w6: P1.1 352,-756.79 v1(352,-695)
VBAT_5V: C7.1 C8.1 C20.1 C21.1 C22.1 C29.2 D1.2 D2.2 Q3.2 Q5.2 R15.1 R19.1 U2.1 U8.5 | length 2063.4
  Top Layer w6: U2.1 307.5,-269.72 D2.2 324.31,-190.91 ; v1(385.76,-130.28) 325.67,-130.28 D1.2 324.31,-190.91 ; Q5.2 505,29 v1(505,-18) ; v1(615,37) 652.88,37 R19.1 ; R15.1 716.99,190.01 731,176 864,176 ; Q3.2 864,176 ; C22.1 C21.1 C20.1@746.92,-218.78 ; 324.31,-190.91 566.12,-190.91 593.99,-218.78 C7.1 C8.1 C20.1 C20.1@746.92,-218.78 ; C20.1@746.92,-218.78 759.67,-206.03 759.67,-204.06 761,-202.73 761,-7 774,6 U8.5 842.18,6 869.08,32.89 C29.2 864,39.94 864,176
  Bottom Layer w6: v1(385.76,-130.28) 485.72,-130.28 505,-111 v1(505,-18) 602,-18 615,-5 v1(615,37)
VDD_5V: C15.2 C18.2 LED1.4 Q3.3 U4.3 | length 1335.6
  Top Layer w6: LED1.4 25.59,501.36 35.39,511.16 55.16,511.16 84.89,540.89 C15.2 191.89,540.89 216.95,565.95 C18.2 ; v1(433.84,571.18) 460.23,571.18 U4.3 471,416 504,383 803,383 826.6,359.4 Q3.3
  Bottom Layer w6: v1(216,675) 217,674 423,674 433.84,663.16 v1(433.84,571.18)
WS_MIC: U3.26 U7.3 | length 397.3
  Top Layer w6: U3.26 166.94,274.94 208,316 208,515 216.37,523.37 U7.3
pads on no net: LED1.1 P1.3 P1.4 P2.3 P2.4 S1.3 S1.4 U3.4 U3.5 U3.6 U3.7 U3.8 U3.9 U3.10 U3.11 U3.12 U3.15 U3.16 U3.17 U3.18 U3.19 U3.20 U3.21 U3.22 U3.28 U3.29 U3.30 U3.32 U3.38 U3.39 U6.5 U6.6 U6.12 U6.13 U7.2 U8.4 U8.6 USB1.0 USB1.A8 USB1.B8

## Polygon pours and split planes (outlines as drawn)
GND on Bottom Layer "NONET_L-01_P-001" (solid, remove dead copper, pour order 0): -669.29,1102.36 1102.36,1102.36 1102.36,-1141.73 -669.29,-1141.73

## Keep-outs
Keep-Out Layer:
  lines w10: -918.23,-354.42 ccw(c0,0) -917.97,355.09 ; -918,-354.33 -669.29,-354.33 -669.29,354.33 -916,354.33

## Other copper
Top Layer:
  rectangle net GND: -388,-128 -246,13

## Silkscreen, mask and mechanical layers (free items; w line width, h text height)
Top Overlay:
  text "EN" at -441.13,-785.87 h39.37 r270
  text "BOOT" at -291.13,-787.87 h39.37 r270
Bottom Overlay:
  text "Project:  AI_XiaoZhi / Author:   MiXiaoJie / Date:     20250508 / Version:  V10.0" at 355,-131 h39.37